# Altium PCB slave.PcbDoc (part 5 of 7)
Units mm, origin at the board's own origin, x right, y up, seen from the top; angles counter-clockwise.
Board outline 260 x 70 mm, 6 copper layers (Top, FUSED_VBAT-, Signals1, Signals2, SUPPLY, Bottom), stack 1.67 mm thick; 597 components, 381 nets, 1695 pads, 3029 vias.
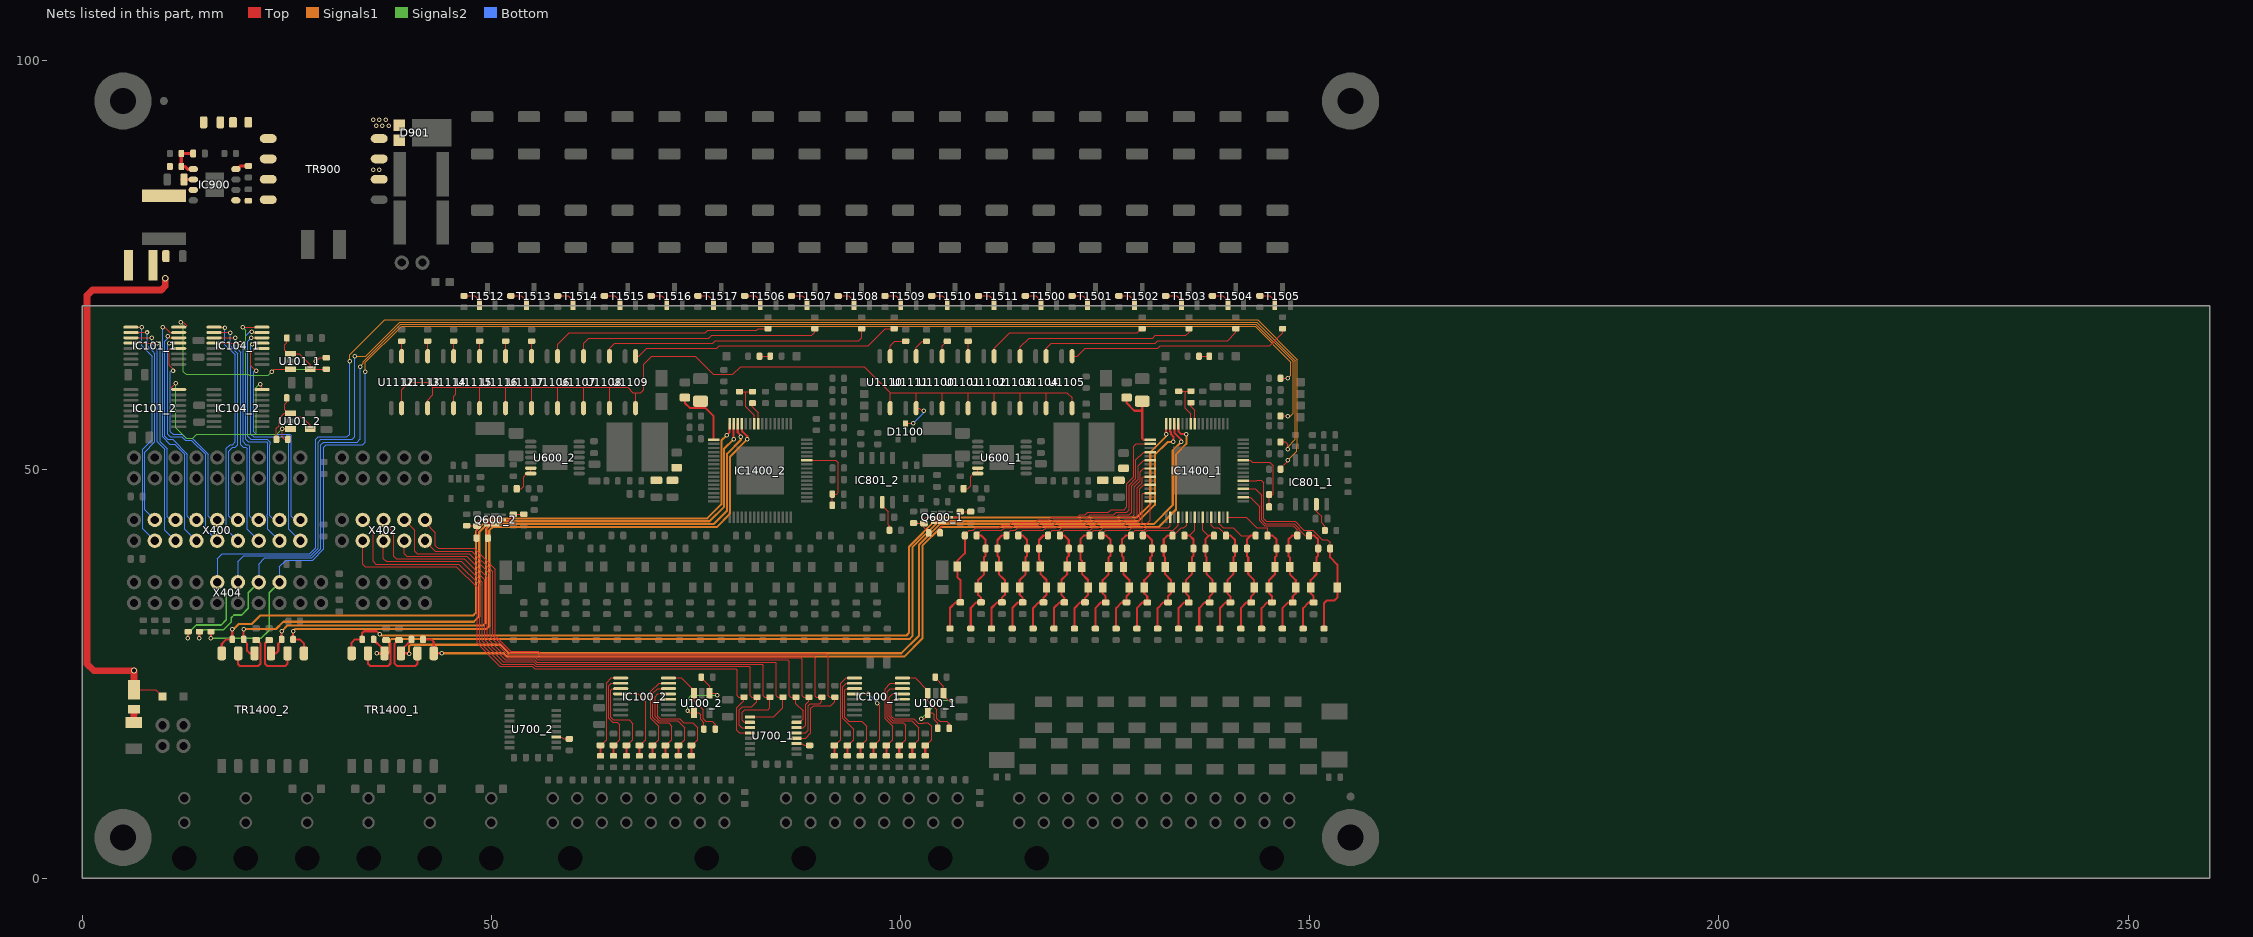
[diagram p9: the nets of this part, all layers, seen from the top]

## Via types
v1: diameter 0.55, hole 0.3, Top to Bottom, tented both sides, 2991 vias
v2: diameter 0.75, hole 0.5, Top to Bottom, tented both sides, 22 vias
v3: diameter 0.65, hole 0.4, Top to Bottom, tented both sides, 16 vias

## Nets (pads, with @x,y where several pads share a name; then routed paths per layer and width w, separated by ;. In a path a pad name is that pad's centre, name@x,y a point inside that pad or via, vN(x,y) a via of type N, cw(c..) or ccw(c..) an arc to the next point about the centre after c; other vN are vias at no path point) (continued)
GPIO5_1: IC1400_1.43 R1416_1.2 R1417_1.2 | length 9.4
  Top w0.152: IC1400_1.43@141.958,51.097 142.736,51.097 142.982,50.852 145.136,50.852 145.56,50.427 145.56,46.977 145.499,46.915 R1416_1.2@145.033,46.915 R1417_1.2@145.033,45.402
GPIO5_2: IC1400_2.43 R1416_2.2 R1417_2.2 | length 9.7
  Top w0.152: IC1400_2.43@88.618,51.097 92.075,51.097 92.392,50.78 92.392,47.169 92.194,46.97 R1416_2.2@91.672,46.97 R1417_2.2@91.672,45.605 ; R1417_2.2@91.642,45.561 R1417_2.2@91.642,45.605
ICMP_1: IC1400_1.58 R1400_1.2 R1402_1.1 | length 5.8
  Top w0.152: R1400_1.2@133.985,59.537 134.944,59.537 ; IC1400_1.58@135.457,55.598 135.457,56.789 134.779,57.468 134.779,59.372 134.944,59.537 ; R1402_1.1@135.496,59.538 134.944,59.538
ICMP_2: IC1400_2.58 R1400_2.2 R1402_2.1 | length 5.9
  Top w0.152: R1400_2.2@80.328,59.488 81.121,59.488 ; R1402_2.1@81.915,59.488 81.121,59.488 ; IC1400_2.58@82.117,55.598 82.117,56.63 81.121,57.626 81.121,59.488
IN_N1_1: IC1400_1.61 R1405_1.2 TR1400_1.7 | length 119.7
  Top w0.254: R1405_1.2@41.657,29.11 R1405_1.2@41.657,29.21 42.657,29.21 42.974,28.892 TR1400_1.7@42.974,27.517 43.97,27.517 v1(43.974,27.521) ; IC1400_1.61@133.958,55.598 133.958,54.659 134.324,54.292 v1(134.938,54.292)
  Signals1 w0.254: v1(43.974,27.521) 51.536,27.521 51.943,27.115 100.457,27.115 102.672,29.33 102.672,40.663 104.948,42.939 131.521,42.939 133.667,45.085 133.667,51.849 134.938,53.119 v1(134.938,54.292)
IN_N1_2: IC1400_2.61 R1405_2.2 TR1400_2.7 | length 82.1
  Top w0.254: v1(25.783,30.212) R1405_2.2@25.782,29.21 26.613,29.21 27.099,28.723 TR1400_2.7@27.099,27.517 ; IC1400_2.61@80.618,55.598 80.618,54.689 80.726,54.58 80.737,54.58 81.28,54.037 v1(81.28,53.657)
  Signals1 w0.254: v1(25.783,30.212) 26.076,30.506 29.369,30.506 49.434,30.506 49.751,30.823 49.751,42.545 50.145,42.939 77.546,42.939 79.172,44.564 79.172,51.549 v1(81.28,53.657)
IN_P1_1: IC1400_1.62 R1405_1.1 TR1400_1.9 | length 122.7
  Top w0.254: v1(39.971,27.464) 39.918,27.517 TR1400_1.9@38.961,27.517 38.961,27.866 39.834,28.739 39.887,28.739 40.257,29.11 R1405_1.1@40.257,29.21 ; IC1400_1.62@133.457,55.598 133.457,54.472 134.302,53.627 v1(134.302,53.34)
  Signals1 w0.254: v1(39.971,27.464) 39.971,28.372 40.162,28.563 51.097,28.563 52.139,27.521 100.114,27.521 102.266,29.673 102.266,40.76 104.801,43.294 130.924,43.294 133.265,45.635 133.265,52.302 v1(134.302,53.34)
IN_P1_2: IC1400_2.62 R1405_2.1 TR1400_2.9 | length 82.3
  Top w0.254: TR1400_2.9@23.086,27.517 23.696,27.517 23.971,27.793 23.971,28.699 24.382,29.11 R1405_2.1@24.382,29.21 v1(24.382,30.212) ; IC1400_2.62@80.117,55.598 80.117,54.503 80.486,54.134 v1(80.486,53.975)
  Signals1 w0.254: v1(24.382,30.212) 25.082,30.912 49.027,30.912 49.345,31.23 49.345,42.641 49.998,43.294 77.153,43.294 78.816,44.958 78.816,51.904 80.486,53.574 v1(80.486,53.975)
LTC-V+_1: C1400_1.1 IC1400_1.1 R1401_1.2 | length 8.5
  Top w0.254: R1401_1.2@127.635,58.765 127.635,58.102 128.588,57.15 129.54,57.15 ; C1400_1.1@129.54,58.315 129.54,57.15 ; IC1400_1.1@130.508,53.597 129.706,53.597 129.54,53.763 129.54,57.15
LTC-V+_2: C1400_2.1 IC1400_2.1 R1401_2.2 | length 8.6
  Top w0.254: R1401_2.2@73.66,58.765 73.66,58.102 74.295,57.468 75.565,57.468 ; C1400_2.1@75.565,58.315 75.565,57.468 ; IC1400_2.1@77.168,53.597 77.168,56.483 76.183,57.468 75.565,57.468
NetC108_1_2: C108_1.2 IC100_1.4 R112_1.1 | length 12.7
  Top w0.152: IC100_1.4@100.239,21.9 99.212,21.9 98.901,21.589 98.901,19.844 99.219,19.526 101.6,19.526 102.154,18.972 102.782,18.972 102.86,19.05 103.346,19.05 103.822,18.574 103.822,16.955 103.129,16.261 C108_1.2@103.029,16.261
  Top w0.254: R112_1.1@103.029,14.988 C108_1.2@103.029,16.261
NetC108_2_2: C108_2.2 IC100_2.4 R112_2.1 | length 12.5
  Top w0.152: IC100_2.4@71.664,21.9 70.636,21.9 70.326,21.59 70.326,19.844 70.644,19.526 73.025,19.526 73.501,19.05 74.603,19.05 75.248,18.405 75.248,16.955 74.554,16.261 C108_2.2@74.454,16.261
  Top w0.254: R112_2.1@74.454,14.988 C108_2.2@74.454,16.261
NetC109_1_2: C109_1.2 IC100_1.5 R113_1.1 | length 12.1
  Top w0.152: IC100_1.5@100.239,22.55 99.068,22.55 98.647,22.13 98.647,19.739 99.114,19.272 101.378,19.272 102.235,18.415 102.235,16.955 101.541,16.261 C109_1.2@101.441,16.261
  Top w0.254: R113_1.1@101.441,14.988 C109_1.2@101.441,16.261
NetC109_2_2: C109_2.2 IC100_2.5 R113_2.1 | length 12.2
  Top w0.152: IC100_2.5@71.664,22.55 70.334,22.55 70.009,22.225 70.009,19.802 70.539,19.272 72.793,19.272 73.66,18.405 73.66,16.955 72.966,16.261 C109_2.2@72.866,16.261
  Top w0.254: R113_2.1@72.866,14.988 C109_2.2@72.866,16.261
NetC110_1_2: C110_1.2 IC100_1.6 R114_1.1 | length 11.9
  Top w0.152: C110_1.2@99.854,16.261 99.954,16.261 100.647,16.955 100.647,18.701 100.33,19.018 99.008,19.018 98.393,19.633 98.393,22.828 98.765,23.2 IC100_1.6@100.239,23.2
  Top w0.254: R114_1.1@99.854,14.988 C110_1.2@99.854,16.261
NetC110_2_2: C110_2.2 IC100_2.6 R114_2.1 | length 11.8
  Top w0.152: C110_2.2@71.279,16.261 71.379,16.261 72.072,16.955 72.072,18.61 71.664,19.018 70.433,19.018 69.755,19.697 69.755,22.606 70.349,23.2 IC100_2.6@71.664,23.2
  Top w0.254: R114_2.1@71.279,14.988 C110_2.2@71.279,16.261
NetC111_1_2: C111_1.2 IC100_1.7 R115_1.1 | length 11.4
  Top w0.152: C111_1.2@98.266,16.261 98.366,16.261 99.06,16.955 99.06,18.574 98.139,19.494 98.139,23.209 98.78,23.85 IC100_1.7@100.239,23.85
  Top w0.254: R115_1.1@98.266,14.988 C111_1.2@98.266,16.261
NetC111_2_2: C111_2.2 IC100_2.7 R115_2.1 | length 11.2
  Top w0.152: C111_2.2@69.691,16.261 69.791,16.261 70.485,16.955 70.485,18.607 69.501,19.592 69.501,22.851 70.5,23.85 IC100_2.7@71.664,23.85
  Top w0.254: R115_2.1@69.691,14.988 C111_2.2@69.691,16.261
NetC112_1_2: C112_1.2 IC100_1.12 R116_1.1 | length 10.2
  Top w0.152: IC100_1.12@94.389,22.55 96.036,22.55 v1(96.044,22.543) ; C112_1.2@96.679,16.261 96.779,16.261 97.472,16.955 97.472,21.114 v1(97.155,21.431)
  Top w0.254: R116_1.1@96.679,14.988 C112_1.2@96.679,16.261
  Bottom w0.152: v1(96.044,22.543) v1(97.155,21.431)
NetC112_2_2: C112_2.2 IC100_2.12 R116_2.1 | length 10.5
  Top w0.152: IC100_2.12@65.814,22.55 67.937,22.55 68.897,21.59 68.897,16.955 68.204,16.261 C112_2.2@68.104,16.261
  Top w0.254: R116_2.1@68.104,14.988 C112_2.2@68.104,16.261
NetC113_1_2: C113_1.2 IC100_1.11 R117_1.1 | length 11.7
  Top w0.152: IC100_1.11@94.389,23.2 93.362,23.2 93.218,23.056 93.218,19.695 93.704,19.209 95.25,19.209 95.885,18.574 95.885,16.955 95.191,16.261 C113_1.2@95.091,16.261
  Top w0.254: R117_1.1@95.091,14.988 C113_1.2@95.091,16.261
NetC113_2_2: C113_2.2 IC100_2.11 R117_2.1 | length 11.9
  Top w0.152: IC100_2.11@65.814,23.2 64.793,23.2 64.611,23.019 64.611,19.685 64.929,19.367 66.834,19.367 67.31,18.891 67.31,16.955 66.616,16.261 C113_2.2@66.516,16.261
  Top w0.254: R117_2.1@66.516,14.988 C113_2.2@66.516,16.261
NetC114_1_2: C114_1.2 IC100_1.10 R118_1.1 | length 11
  Top w0.152: C114_1.2@93.504,16.261 93.604,16.261 94.297,16.955 94.297,18.256 92.964,19.59 92.964,23.452 93.362,23.85 IC100_1.10@94.389,23.85
  Top w0.254: R118_1.1@93.504,14.988 C114_1.2@93.504,16.261
NetC114_2_2: C114_2.2 IC100_2.10 R118_2.1 | length 11.4
  Top w0.152: C114_2.2@64.929,16.261 65.029,16.261 65.722,16.955 65.722,18.796 65.405,19.113 64.824,19.113 64.357,19.58 64.357,23.558 64.649,23.85 IC100_2.10@65.814,23.85
  Top w0.254: R118_2.1@64.929,14.988 C114_2.2@64.929,16.261
NetC115_1_2: C115_1.2 IC100_1.9 R119_1.1 | length 11.2
  Top w0.152: C115_1.2@91.916,16.261 92.016,16.261 92.71,16.955 92.71,23.848 93.362,24.5 IC100_1.9@94.389,24.5
  Top w0.254: R119_1.1@91.916,14.988 C115_1.2@91.916,16.261
NetC115_2_2: C115_2.2 IC100_2.9 R119_2.1 | length 11.3
  Top w0.152: C115_2.2@63.341,16.261 63.441,16.261 64.135,16.955 64.135,19.367 64.103,19.399 64.103,23.939 64.664,24.5 IC100_2.9@65.814,24.5
  Top w0.254: R119_2.1@63.341,14.988 C115_2.2@63.341,16.261
NetC605_1_2: C605_1.2 C606_1.2 R604_1.2
NetC605_2_2: C605_2.2 C606_2.2 R604_2.2
NetC607_1_1: C607_1.1 U600_1.6 U600_1.7 | length 3.8
  Top w0.152: C607_1.1@107.722,47.625 108.199,47.625 108.57,47.996 108.57,49.085 108.97,49.485 U600_1.7@109.445,49.485 U600_1.6@109.445,50.135
NetC607_2_1: C607_2.1 U600_2.6 U600_2.7 | length 3.8
  Top w0.152: C607_2.1@53.112,47.625 53.643,47.625 53.96,47.942 53.96,49.085 54.36,49.485 U600_2.7@54.835,49.485 U600_2.6@54.835,50.135
NetC608_1_2: C608_1.2 Q600_1.5 R607_1.1 R608_1.2 | length 4.5
  Top w0.152: R607_1.1@101.6,43.432 102.152,43.432 102.177,43.408 C608_1.2@102.87,43.408 ; R608_1.2@103.44,42.227 103.44,42.327 102.87,42.898 C608_1.2@102.87,43.408 ; Q600_1.5@104.097,44.132 103.118,44.132 102.87,43.884 C608_1.2@102.87,43.408
NetC608_2_2: C608_2.2 Q600_2.5 R607_2.1 R608_2.2 | length 4.6
  Top w0.152: R607_2.1@46.988,43.115 47.658,43.115 47.683,43.09 C608_2.2@48.26,43.09 ; R608_2.2@48.195,41.593 48.195,42.548 48.26,42.613 C608_2.2@48.26,43.09 ; Q600_2.5@49.487,43.815 48.508,43.815 48.26,43.567 C608_2.2@48.26,43.09
NetC900_2: C900.2 D900.2 L900.1 TP901.1 | length 68.3
  Top w0.152: D900.2@6.35,23.075 8.992,23.075 TP901.1@9.842,22.225
  Top w0.813: D900.2@6.35,23.075 v2(6.35,25.4) 1.429,25.4 0.61,26.219 0.61,71.253 1.27,71.914 9.684,71.914 10.16,72.39 v2(10.16,73.343)
NetC902_2: C902.2 C905.2 IC900.3 L900.2 R900.2 TR900.3 TR900.4
NetC903_2: C903.2 IC900.1 R900.1 R901.2 | length 4.6
  Top w0.406: C903.2@13.563,88.582 R901.2@12.13,88.582 12.13,87.547 R900.1@12.13,86.995 12.6,86.995 12.918,86.677 IC900.1@13.591,86.677
NetC904_2: C904.2 IC900.2 | length 1.4
  Top w0.406: C904.2@12.155,85.407 IC900.2@13.591,85.407
NetC905_1: C905.1 R903.2
NetC1404_1_2: C1404_1.2 TR1400_1.8 | length 7.5
  Top w0.254: C1404_1.2@38.735,29.12 38.635,29.12 38.195,28.68 38.195,26.257 38.506,25.947 40.71,25.947 40.968,26.204 TR1400_1.8@40.968,27.517
NetC1404_2_2: C1404_2.2 TR1400_2.8 | length 7.4
  Top w0.254: C1404_2.2@22.86,29.12 22.76,29.12 22.349,28.709 22.349,26.254 22.657,25.947 24.835,25.947 25.093,26.204 TR1400_2.8@25.093,27.517
NetC1405_1_2: C1405_1.2 TR1400_1.11 | length 7.4
  Top w0.254: TR1400_1.11@34.948,27.517 34.948,26.241 35.242,25.947 37.377,25.947 37.691,26.261 37.691,28.676 37.247,29.12 C1405_1.2@37.148,29.12
NetC1405_2_2: C1405_2.2 TR1400_2.11 | length 7.5
  Top w0.254: TR1400_2.11@19.073,27.517 19.073,26.171 19.297,25.947 21.502,25.947 21.816,26.261 21.816,28.676 21.372,29.12 C1405_2.2@21.273,29.12
NetD900_1: D900.1 F900.2 | length 1.7
  Top w0.813: F900.2@6.33,19.053 6.33,20.053 6.35,20.073 D900.1@6.35,20.7
NetD901_2: D901.2 D901.3 TR900.5
  other v1: 35.941,91.948 36.703,91.948 37.465,91.948 35.56,92.71 36.322,92.71 37.084,92.71
NetD1100_3: D1100.3 U1100.4 U1101.4 U1102.4 U1103.4 U1104.4 U1105.4 U1106.4 U1107.4 U1108.4 U1109.4 U1110.4 U1111.4 U1112.4 U1113.4 U1114.4 U1115.4 U1116.4 U1117.4 | length 133
  Top w0.152: U1112.4@39.052,57.468 39.052,59.69 40.005,60.642 42.227,60.642 42.862,60.008 ; U1113.4@42.227,57.468 42.227,58.444 42.862,59.079 42.862,60.008 ; U1114.4@45.402,57.468 45.402,58.906 45.639,59.143 45.639,59.927 45.72,60.008 ; U1115.4@48.578,57.468 48.578,60.008 ; U1116.4@51.752,57.468 51.752,60.008 ; U1117.4@54.927,57.468 54.927,60.008 ; U1106.4@58.102,57.468 58.102,60.008 ; U1107.4@61.277,57.468 61.277,60.008 ; U1108.4@64.453,57.468 64.453,60.008 ; U1109.4@67.627,57.468 67.627,59.372 ; U1110.4@98.742,57.468 98.742,59.372 ; D1100.3@100.627,55.598 v1(101.577,55.598) ; v1(102.87,57.15) 102.637,57.15 102.319,57.468 U1111.4@101.917,57.468 101.917,59.372 ; U1100.4@105.093,57.468 105.093,59.372 ; U1101.4@108.267,57.468 108.267,59.372 ; U1102.4@111.442,57.468 111.442,59.372 ; U1103.4@114.617,57.468 114.617,59.372 ; U1104.4@117.792,57.468 117.792,59.372 ; U1105.4@120.968,57.468 120.968,58.737 120.332,59.372 117.792,59.372 ; 42.862,60.008 45.72,60.008 ; 45.72,60.008 48.578,60.008 ; 48.578,60.008 51.752,60.008 ; 51.752,60.008 54.927,60.008 ; 54.927,60.008 58.102,60.008 ; 58.102,60.008 61.277,60.008 ; 61.277,60.008 64.453,60.008 ; 64.453,60.008 66.675,60.008 67.31,59.372 67.627,59.372 ; 67.627,59.372 68.263,59.372 68.611,59.721 68.611,62.831 69.597,63.817 74.93,63.817 77.153,61.595 79.534,61.595 80.486,62.547 95.567,62.547 98.742,59.372 ; 98.742,59.372 101.917,59.372 ; 101.917,59.372 105.093,59.372 ; 105.093,59.372 108.267,59.372 ; 108.267,59.372 111.442,59.372 ; 111.442,59.372 114.617,59.372 ; 114.617,59.372 117.792,59.372
  Bottom w0.152: v1(101.577,55.598) 102.87,56.89 v1(102.87,57.15)
NetIC801_1_7: IC801_1.7 R801_1.1 | length 3.6
  Top w0.152: IC801_1.7@150.812,45.719 150.812,44.867 151.053,44.627 151.061,44.627 151.447,44.24 151.447,43.476 151.859,43.065 R801_1.1@151.859,42.513
NetIC801_2_7: IC801_2.7 R801_2.1 | length 3.8
  Top w0.152: IC801_2.7@97.77,45.98 97.77,45.53 98.51,44.79 98.51,43.244 98.657,43.097 R801_2.1@98.657,42.545
NetIC900_5: IC900.5 R903.1 R904.2 TR900.1 TR900.2
NetIC900_8: IC900.8 R902.1 | length 1.7
  Top w0.406: IC900.8@18.794,86.677 18.985,86.677 19.368,87.06 R902.1@20.32,87.06
NetIC1400_1_57: IC1400_1.57 R1402_1.2 | length 2.8
  Top w0.152: R1402_1.2@135.496,58.138 135.496,57.686 135.958,57.224 IC1400_1.57@135.958,55.547
NetIC1400_2_57: IC1400_2.57 R1402_2.2 | length 2.8
  Top w0.152: R1402_2.2@81.915,58.088 81.915,57.636 82.618,56.933 IC1400_2.57@82.618,55.547
NetLD1400_1_1: LD1400_1.1 R1403_1.2 | length 1.3
  Top w0.152: R1403_1.2@136.48,63.818 137.278,63.818 LD1400_1.1@137.73,63.817
NetLD1400_2_1: LD1400_2.1 R1403_2.2 | length 1.3
  Top w0.152: R1403_2.2@82.774,63.817 LD1400_2.1@84.072,63.817
NetQ600_1_2: Q600_1.2 R605_1.2 R606_1.2 | length 3.1
  Top w0.152: Q600_1.2@106.087,44.132 107.066,44.132 107.315,44.381 R606_1.2@107.315,44.832 R605_1.2@108.585,44.832
NetQ600_1_6: Q600_1.6 Q600_1.7 R608_1.1 | length 2.8
  Top w0.152: Q600_1.6@104.097,43.482 104.549,43.482 104.491,43.541 104.491,43.642 Q600_1.7@105.092,43.642 105.092,43.032 104.84,42.779 R608_1.1@104.84,42.227
NetQ600_2_2: Q600_2.2 R605_2.2 R606_2.2 | length 3.1
  Top w0.152: Q600_2.2@51.477,43.815 52.456,43.815 52.705,44.063 R606_2.2@52.705,44.515 R605_2.2@53.975,44.515
NetQ600_2_6: Q600_2.6 Q600_2.7 R608_2.1 | length 2.9
  Top w0.152: R608_2.1@49.595,41.593 49.595,42.545 49.487,42.653 Q600_2.6@49.487,43.165 49.939,43.165 49.881,43.223 49.881,43.325 Q600_2.7@50.482,43.325
NetR108_1_1: R108_1.1 R110_1.2 U100_1.1 U100_1.4 | length 12.5
  Top w0.152: v1(102.552,19.526) 102.569,19.509 102.927,19.509 103.349,19.931 U100_1.4@103.349,20.231 103.911,20.231 104.14,20.002 104.14,19.367 104.549,18.959 R110_1.2@104.549,18.347 ; R108_1.1@104.234,24.606 104.234,24.506 105.249,23.491 U100_1.1@105.249,22.631 105.249,22.331 105.831,21.749 v1(106.204,21.749)
  Signals2 w0.152: v1(102.552,19.526) 104.775,21.749 v1(106.204,21.749)
NetR108_2_1: R108_2.1 R110_2.2 U100_2.1 U100_2.4 | length 12.5
  Top w0.152: v1@74.075,20.479 v1(73.977,20.479) 74.225,20.231 U100_2.4@74.774,20.231 75.336,20.231 75.565,20.002 75.565,19.459 75.974,19.05 R110_2.2@75.974,18.256 ; R108_2.1@75.659,24.606 75.659,24.506 76.674,23.491 U100_2.1@76.674,22.631 77.381,22.631 v1(77.629,22.384)
  Signals2 w0.152: v1(73.977,20.479) 73.977,21.907 74.454,22.384 v1(77.629,22.384)
NetR109_1_1: R109_1.1 R111_1.2 U101_1.1 U101_1.4 | length 8
  Top w0.152: R109_1.1@25.017,66.04 25.017,65.488 24.748,65.219 24.748,64.554 25.17,64.133 U101_1.1@25.47,64.133 26.514,64.133 27.87,62.776 U101_1.4@27.87,62.233 29.288,62.233 29.293,62.238 R111_1.2@29.845,62.238
NetR109_2_1: R109_2.1 R111_2.2 U101_2.1 U101_2.4 | length 10
  Top w0.152: R111_2.2@23.748,53.657 23.748,55.012 24.066,55.331 24.066,56.178 24.718,56.83 U101_2.1@25.17,56.83 ; R109_2.1@24.997,58.725 24.997,58.173 24.748,57.924 24.748,57.252 U101_2.1@25.17,56.83 ; U101_2.4@27.87,54.93 27.87,55.382 26.843,56.408 26.192,56.408 25.77,56.83 U101_2.1@25.47,56.83 U101_2.1@25.17,56.83
NetR708_1_2: R708_1.2 U700_1.3 | length 1.7
  Top w0.152: U700_1.3@87.305,16.488 88.007,16.488 88.237,16.257 R708_1.2@88.9,16.257
NetR708_2_2: R708_2.2 U700_2.3 | length 1.7
  Top w0.152: U700_2.3@57.936,17.281 58.638,17.281 58.868,17.051 R708_2.2@59.531,17.051
NetR1100_2: R1100.2 U1100.1 | length 2.1
  Top w0.152: U1100.1@105.093,63.817 105.093,65.11 105.628,65.645 R1100.2@105.727,65.645
NetR1101_2: R1101.2 U1101.1 | length 1.8
  Top w0.152: U1101.1@108.267,63.817 R1101.2@108.267,65.645
NetR1102_2: R1102.2 U1102.1 | length 20.1
  Top w0.152: U1102.1@111.442,63.817 111.442,64.794 113.323,66.675 128.935,66.675 129.44,67.18 R1102.2@129.54,67.18
NetR1103_2: R1103.2 U1103.1 | length 23
  Top w0.152: U1103.1@114.617,63.817 114.617,64.942 115.715,66.04 130.81,66.04 131.127,66.358 134.884,66.358 135.255,66.728 R1103.2@135.255,67.18
NetR1104_2: R1104.2 U1104.1 | length 25.4
  Top w0.152: U1104.1@117.792,63.817 117.792,64.794 118.416,65.418 131.127,65.418 131.432,65.722 139.964,65.722 140.97,66.728 R1104.2@140.97,67.18
NetR1105_2: R1105.2 U1105.1 | length 27.4
  Top w0.152: U1105.1@120.968,63.817 121.602,63.817 122.555,64.77 131.445,64.77 131.75,65.075 145.108,65.075 146.685,66.652 R1105.2@146.685,67.18
NetR1106_2: R1106.2 U1106.1 | length 28
  Top w0.152: U1106.1@58.102,63.817 58.102,65.272 58.226,65.396 59.505,66.675 76.137,66.675 76.455,66.992 82.459,66.992 82.646,67.18 R1106.2@83.82,67.18
NetR1107_2: R1107.2 U1107.1 | length 30.8
  Top w0.152: U1107.1@61.277,63.817 61.277,65.405 61.912,66.04 76.595,66.04 76.913,66.358 89.164,66.358 89.535,66.728 R1107.2@89.535,67.18
NetR1108_2: R1108.2 U1108.1 | length 33.4
  Top w0.152: U1108.1@64.453,63.817 64.453,64.794 65.076,65.418 77.055,65.418 77.36,65.722 94.895,65.722 95.25,66.078 R1108.2@95.25,67.18
NetR1109_2: R1109.2 U1109.1 | length 33
  Top w0.152: U1109.1@67.627,63.817 68.029,63.817 68.982,64.77 77.538,64.77 77.879,65.111 96.074,65.111 98.143,67.18 R1109.2@99.235,67.18
NetR1110_2: R1110.2 U1110.1 | length 3.4
  Top w0.152: U1110.1@98.742,63.817 98.742,65.087 99.313,65.658 R1110.2@100.642,65.658
NetR1111_2: R1111.2 U1111.1 | length 2.7
  Top w0.152: U1111.1@101.917,63.817 101.917,64.794 101.917,64.927 102.636,65.645 R1111.2@103.188,65.645
NetR1112_2: R1112.2 U1112.1 | length 1.8
  Top w0.152: U1112.1@39.052,63.817 R1112.2@39.052,65.658
NetR1113_2: R1113.2 U1113.1 | length 1.8
  Top w0.152: U1113.1@42.227,63.817 R1113.2@42.227,65.658
NetR1114_2: R1114.2 U1114.1 | length 1.8
  Top w0.152: U1114.1@45.402,63.817 R1114.2@45.402,65.645
NetR1115_2: R1115.2 U1115.1 | length 1.8
  Top w0.152: U1115.1@48.578,63.817 R1115.2@48.578,65.658
NetR1116_2: R1116.2 U1116.1 | length 1.8
  Top w0.152: U1116.1@51.752,63.817 R1116.2@51.752,65.658
NetR1117_2: R1117.2 U1117.1 | length 1.8
  Top w0.152: U1117.1@54.927,63.817 R1117.2@54.927,65.658
NetR1512_1: R1512.1 T1500.1 | length 2.2
  Top w0.152: R1512.1@115.57,71.185 116.545,71.185 117.16,70.57 T1500.1@117.16,70.17
NetR1513_1: R1513.1 T1501.1 | length 2.3
  Top w0.152: R1513.1@121.265,71.185 122.26,71.185 122.875,70.57 T1501.1@122.875,70.17
NetR1514_1: R1514.1 T1502.1 | length 2.3
  Top w0.152: R1514.1@126.982,71.185 127.975,71.185 128.59,70.57 T1502.1@128.59,70.17
NetR1515_1: R1515.1 T1503.1 | length 2.3
  Top w0.152: R1515.1@132.715,71.185 133.752,71.185 133.946,70.991 133.946,70.942 134.317,70.57 T1503.1@134.317,70.17
NetR1516_1: R1516.1 T1504.1 | length 2.2
  Top w0.152: R1516.1@138.458,71.185 139.405,71.185 140.02,70.57 T1504.1@140.02,70.17
NetR1517_1: R1517.1 T1505.1 | length 2.5
  Top w0.152: R1517.1@143.918,71.185 145.12,71.185 145.735,70.57 T1505.1@145.735,70.17
NetR1530_1: R1530.1 T1506.1 | length 2.2
  Top w0.152: R1530.1@81.28,71.185 82.255,71.185 82.87,70.57 T1506.1@82.87,70.17
NetR1531_1: R1531.1 T1507.1 | length 2.2
  Top w0.152: R1531.1@86.995,71.185 87.97,71.185 88.585,70.57 T1507.1@88.585,70.17
NetR1532_1: R1532.1 T1508.1 | length 2.2
  Top w0.152: R1532.1@92.71,71.185 93.685,71.185 94.3,70.57 T1508.1@94.3,70.17
NetR1533_1: R1533.1 T1509.1 | length 2.3
  Top w0.152: R1533.1@98.405,71.185 99.415,71.185 100.03,70.57 T1509.1@100.03,70.17
NetR1534_1: R1534.1 T1510.1 | length 2.2
  Top w0.152: R1534.1@104.14,71.185 105.095,71.185 105.71,70.57 T1510.1@105.71,70.17
NetR1535_1: R1535.1 T1511.1 | length 2.2
  Top w0.152: R1535.1@109.855,71.185 110.83,71.185 111.445,70.57 T1511.1@111.445,70.17
NetR1548_1: R1548.1 T1512.1 | length 2.2
  Top w0.152: R1548.1@46.99,71.185 47.965,71.185 48.58,70.57 T1512.1@48.58,70.17
NetR1549_1: R1549.1 T1513.1 | length 2.2
  Top w0.152: R1549.1@52.705,71.185 53.68,71.185 54.295,70.57 T1513.1@54.295,70.17
NetR1550_1: R1550.1 T1514.1 | length 2.2
  Top w0.152: R1550.1@58.42,71.185 59.395,71.185 60.01,70.57 T1514.1@60.01,70.17
NetR1551_1: R1551.1 T1515.1 | length 2.2
  Top w0.152: R1551.1@64.135,71.185 65.11,71.185 65.725,70.57 T1515.1@65.725,70.17